# KiCad board raw.kicad_pcb
title: Toslink CNC To Planet CNC ECO Shield; date: 2016-10-21; rev: 1.0; company: Institute IRNAS Rače
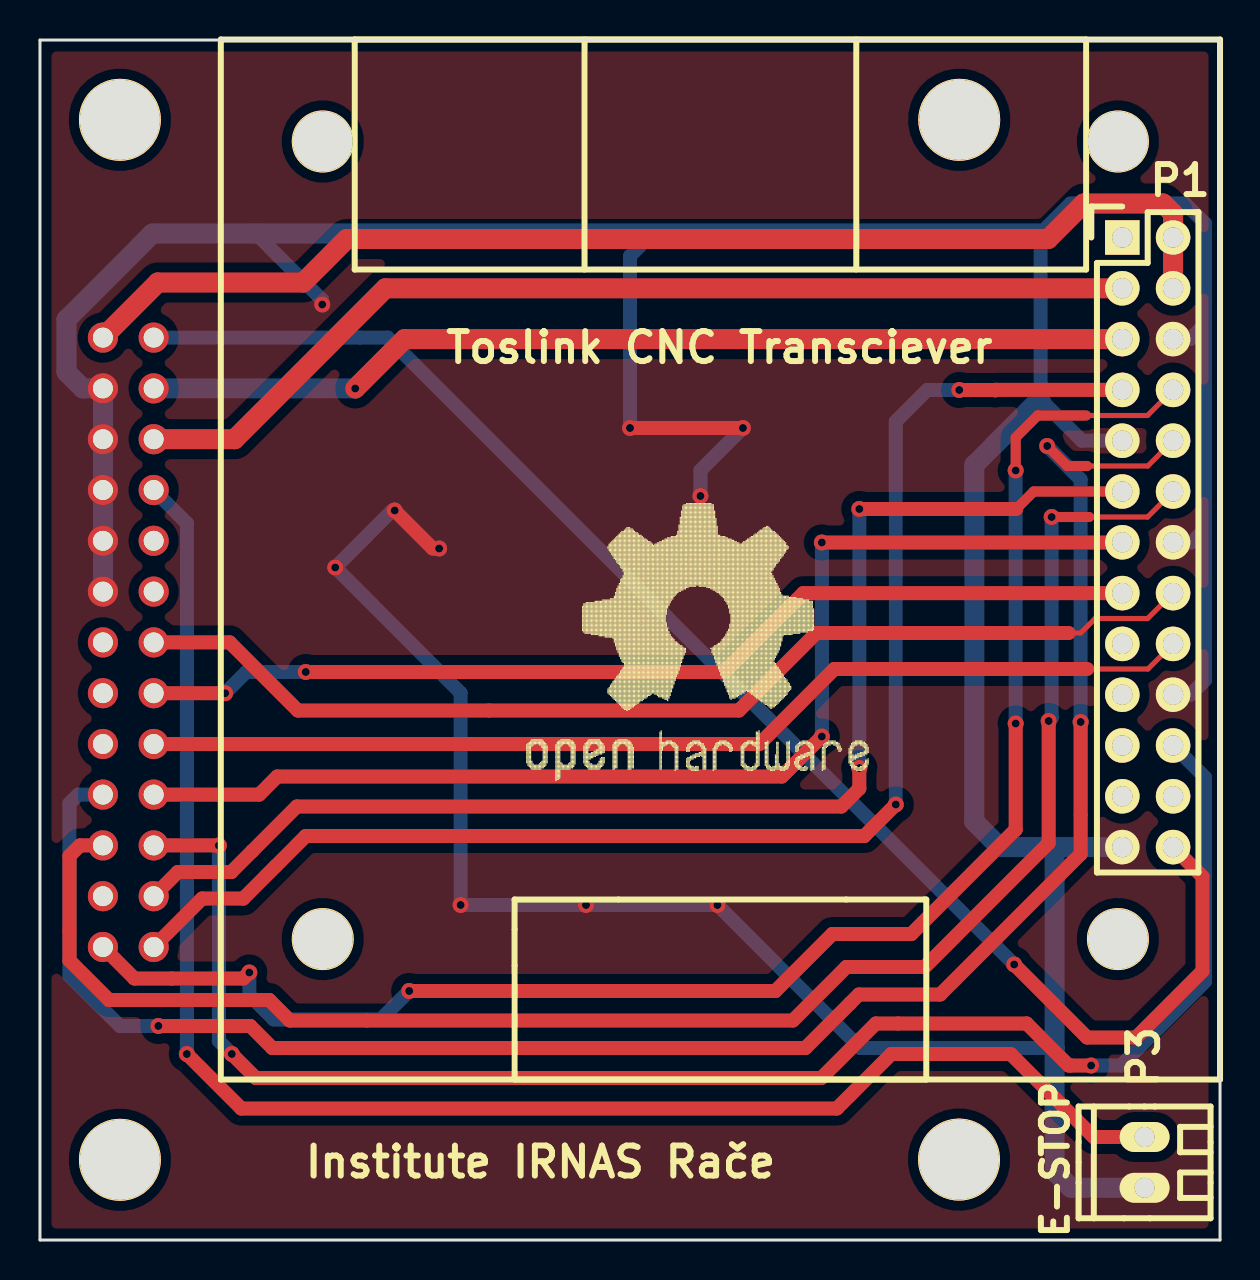
[diagram p0: board, top side]
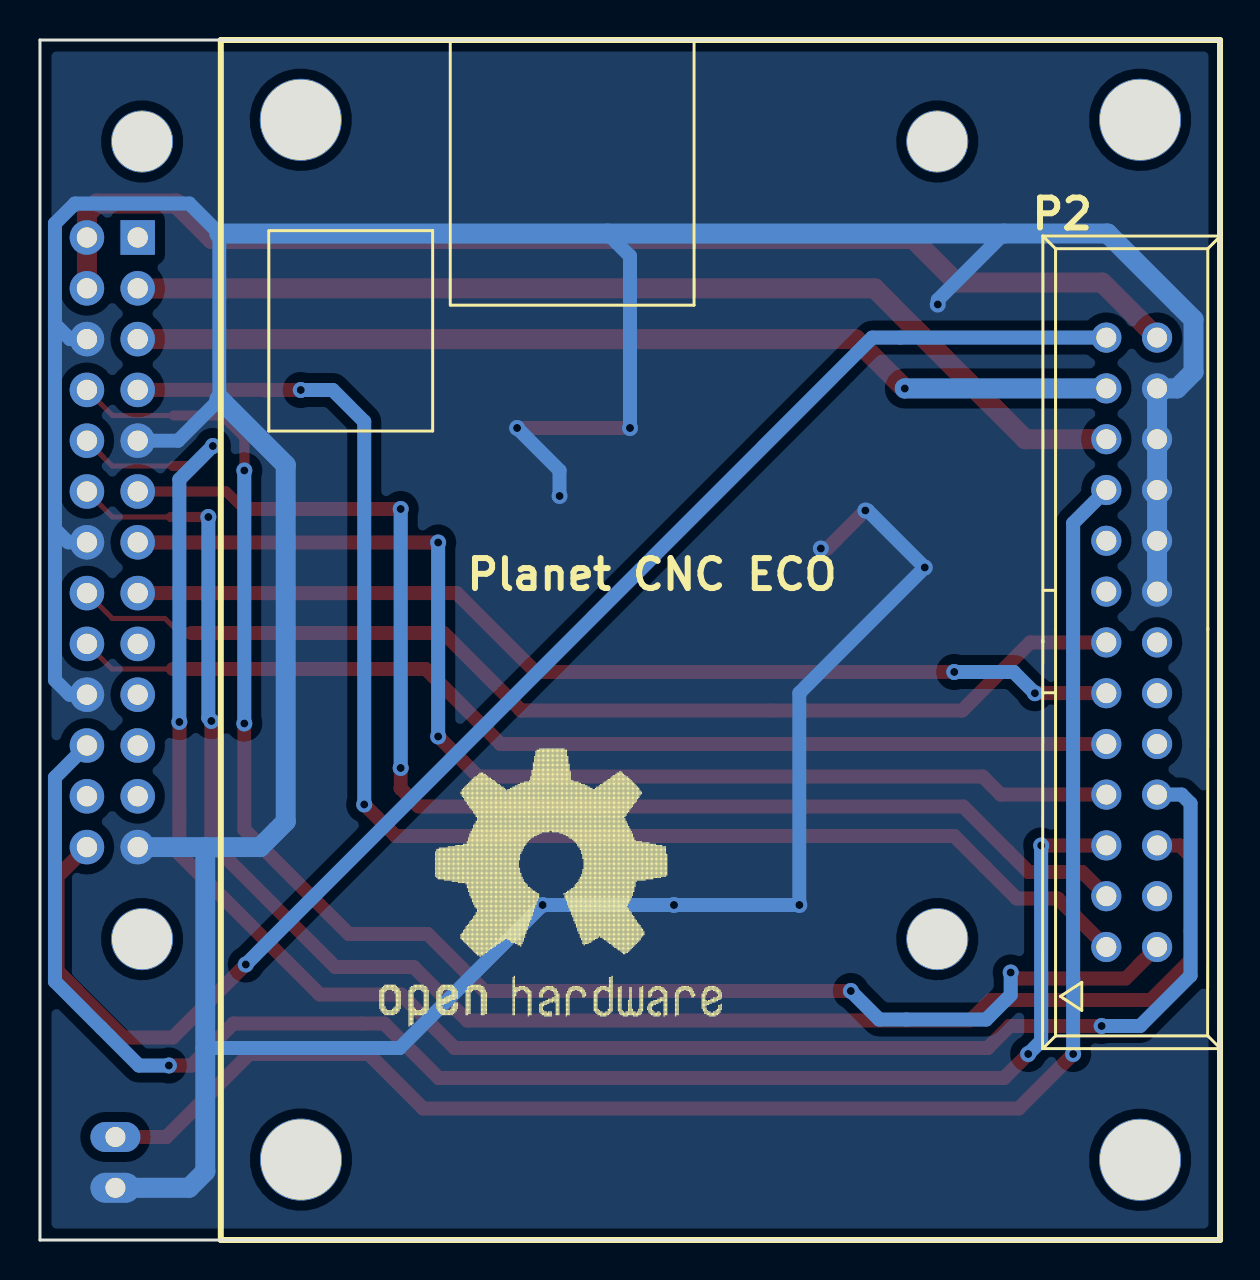
[diagram p1: board, bottom side, seen from below]

Outline 59.05 x 60 mm; copper layers: Top, Bottom. Coordinates in mm from the lower left corner of the outline.
Outline path: 0,60 59.05,60 59.05,0 0,0 0,60

## Placement (name value [footprint] x y rotation side)
G***  LOGO  [OSHWLOGO0.75IN]  23.38 39.2 0 top
G***#2  LOGO  [OSHWLOGO0.75IN]  43.03 26.93 180 bottom
P1  Toslink CNC Transciever  [toslink_pcb]  9.05 60.03 0 top
P2  Planet CNC ECO PCB  [PlanetCNC_ECO_PCB]  0 60 0 top
P3  term_block  [terminal_block_2_5mm]  55.28 5.15 90 top

## Footprints (pads in the part's own frame, mm; a bottom-side part is the same pattern mirrored in y, then rotated)
PlanetCNC_ECO_PCB
  round 4.1 hole 4: (4,-3.99) (4,-55.99) (45.99,-55.98) (46,-3.99)
  round 1.506 hole 0.998: 1(5.69,-45.35) 2(5.69,-42.81) 3(5.69,-40.27) 4(5.69,-37.73) 5(5.69,-35.2) 6(5.69,-32.66) 7(5.69,-30.12) 8(5.69,-27.58) 9(5.69,-25.04) 10(5.69,-22.5) 11(5.69,-19.96) 12(5.69,-17.42) 13(5.69,-14.88) 14(3.15,-45.35) 15(3.15,-42.81) 16(3.15,-40.27) 17(3.15,-37.73) 18(3.15,-35.2) 19(3.15,-32.66) 20(3.15,-30.12) 21(3.15,-27.58) 22(3.15,-25.04) 23(3.15,-22.5) 24(3.15,-19.96) 25(3.15,-17.42) 26(3.15,-14.88)
terminal_block_2_5mm
  oval 1.5x2.5 hole 1: 1(-2.54,0) 2(0,0)
toslink_pcb
  round 3.1 hole 3: (5.1,-5.1) (5.1,-44.98) (44.89,-5.1) (44.89,-44.98)
  rect 1.727x1.727 hole 1.016: 1(45.11,-9.9)
  oval 1.727x1.727 hole 1.016: 2(47.65,-9.9) 3(45.11,-12.44) 4(47.65,-12.44) 5(45.11,-14.98) 6(47.65,-14.98) 7(45.11,-17.52) 8(47.65,-17.52) 9(45.11,-20.06) 10(47.65,-20.06) 11(45.11,-22.6) 12(47.65,-22.6) 13(45.11,-25.14) 14(47.65,-25.14) 15(45.11,-27.68) 16(47.65,-27.68) 17(45.11,-30.22) 18(47.65,-30.22) 19(45.11,-32.76) 20(47.65,-32.76) 21(45.11,-35.3) 22(47.65,-35.3) 23(45.11,-37.84) 24(47.65,-37.84) 25(45.11,-40.38) 26(47.65,-40.38)

## Nets
+5V: P1.2 P1.4 P2.26
GND: P1.6 P1.9 P1.14 P1.20 P1.25 P2.21 P2.22 P2.23 P2.24 P2.25 P3.1
DIR_X: P1.22 P2.3
DIR_Y: P1.18 P2.5
DIR_Z: P1.16 P2.7
E-STOP: P2.10 P3.2
ENABLE: P1.7 P2.1
LIMIT_X: P1.3 P2.11
LIMIT_Y: P1.5 P2.12
LIMIT_Z: P1.26 P2.13
STEP_X: P1.11 P2.2
STEP_Y: P1.13 P2.4
STEP_Z: P1.15 P2.6
TRIGGER1: P1.12 P2.16
TRIGGER2: P1.10 P2.17
TRIGGER3: P1.8 P2.14

Pads without a net: P1 1 17 19 21 23 24; P2 8 9 15 18 19 20

## Via types
v1: diameter 0.8, hole 0.4, Top to Bottom, 33 vias

## Routing (per net, layer and track width the routed paths; a pad name or vN(x,y) marks a point on that pad's centre or on a via; arc(x,y) is an arc through that point)
+5V: length 60.3
  Top w1: P2.26 3.15,45.12 5.9,47.88 13.17,47.88 15.35,50.05 50.45,50.05 52.22,51.83 56.2,51.83 56.7,51.33 P1.2 56.7,47.58
GND: length 252.4
  Top w0.7: v1(19.97,34.57) 19.65,34.57 v1(17.75,36.47) ; v1(35.17,40.6) v1(29.52,40.6)
  Bottom w0.7: 58.3,45.8 57.54,45.05 P1.6 ; 58.3,45.8 58.3,50.83 57.3,51.83 51.57,51.83 50.07,50.33 50.07,42.03 52.13,39.97 P1.9 ; 58.3,45.8 58.3,35.55 ; 58.3,35.55 57.63,34.88 P1.14 ; 58.3,35.55 58.3,28 57.56,27.26 56.7,27.26 ; v1(17.75,36.47) 17.62,36.47 v1(14.77,33.62) 21.05,27.35 v1(21.05,16.75) v1(27.32,16.75) v1(33.9,16.75) 41.05,9.6 50.78,9.6 ; v1(29.52,40.6) 29.52,49.2 30.65,50.33 ; v1(33.05,37.2) 33.05,38.47 v1(35.17,40.6) ; v1(14.12,46.78) 14.12,47 10.8,50.33
  Bottom w1: 50.78,19.65 48.03,19.65 46.75,20.93 46.75,38.75 50.03,42.03 50.07,42.03 ; 50.78,19.65 P1.25 ; 50.78,19.65 50.78,3.43 51.59,2.61 P3.1 ; 50.07,50.33 5.62,50.33 1.32,46.03 1.32,43.4 2.14,42.58 P2.25 P2.24 P2.23 P2.22 P2.21
DIR_X: length 79.4
  Top w0.7: v1(9.6,9.3) 10.8,8.1 39.1,8.1 41.82,10.82 49.38,10.82 51.47,8.72 v1(52.6,8.72) ; P2.3 8.94,19.73 v1(8.95,19.72)
  Bottom w0.7: v1(52.6,8.72) 54.1,8.72 58.3,12.93 58.3,23.12 56.7,24.72 ; v1(8.95,19.72) 8.95,9.95 v1(9.6,9.3)
DIR_Y: length 53.1
  Top w0.254: 52.4,28.55 55.44,28.55 P1.18
  Top w0.7: 52.4,28.55 39.75,28.55 36,24.8 P2.5
DIR_Z: length 54.9
  Top w0.254: 51.47,30.35 52.07,30.35 52.8,31.07 55.43,31.07 P1.16
  Top w0.7: 51.47,30.35 38.85,30.35 34.97,26.47 12.9,26.47 9.49,29.88 P2.7
E-STOP: length 80.8
  Top w0.7: v1(7.35,9.3) 10.07,6.57 39.88,6.57 42.6,9.3 48.57,9.3 52.72,5.15 P3.2
  Bottom w0.7: v1(7.35,9.3) 7.35,35.84 P2.10
ENABLE: length 71.3
  Top w0.7: 47.83,42.5 47.8,42.47 ; 47.83,42.5 54.16,42.5 ; 47.83,42.5 47.81,42.5 47.8,42.5 v1(46,42.5) ; v1(42.82,21.78) 41.25,20.2 13.3,20.2 10.17,17.07 8.11,17.07 P2.1
  Bottom w0.7: v1(46,42.5) 44.4,42.5 42.82,40.92 v1(42.82,21.78)
LIMIT_X: length 51.6
  Top w1: P2.11 9.74,40.04 17.28,47.58 54.16,47.58
LIMIT_Y: length 49.5
  Top w1: v1(15.77,42.58) 18.24,45.05 P1.5
  Bottom w1: v1(15.77,42.58) 15.77,42.58 P2.12
LIMIT_Z: length 75.2
  Top w0.7: v1(48.75,13.78) 52.4,10.12 54.85,10.12 58.17,13.45 58.17,18.17 P1.26
  Bottom w0.7: v1(48.75,13.78) 17.41,45.12 P2.13
STEP_X: length 65.1
  Top w0.508: 48.85,36.55 49.72,37.43 P1.11
  Top w0.7: 10.61,19.44 9.57,18.4 6.9,18.4 P2.2 ; 10.61,19.44 10.62,19.45 ; 10.61,19.44 12.85,21.68 40.1,21.68 41,22.57 v1(41,23.6) ; v1(41,36.55) 48.85,36.55
  Bottom w0.7: v1(41,36.55) v1(41,23.6)
STEP_Y: length 59.4
  Top w0.7: v1(39.12,25.18) 37.12,23.18 11.88,23.18 10.97,22.27 P2.4 ; P1.13 54.15,34.88 v1(39.12,34.88)
  Bottom w0.7: v1(39.12,34.88) v1(39.12,25.18)
STEP_Z: length 50.6
  Top w0.7: P1.15 38.19,32.34 34.25,28.4 v1(13.3,28.4) ; P2.6 v1(9.27,27.34)
  Bottom w0.7: 9.27,27.35 v1(9.27,27.34) 10.32,28.4 v1(13.3,28.4)
TRIGGER1: length 84
  Top w0.254: 52.47,36.18 52.5,36.15 55.42,36.15 P1.12
  Top w0.508: 52.5,36.15 v1(50.62,36.15)
  Top w0.7: v1(50.47,25.95) 50.47,19.85 44.28,13.65 40.35,13.65 37.67,10.97 12.5,10.97 11.47,12 3.45,12 1.47,13.97 1.47,19.2 2,19.73 P2.16
  Bottom w0.7: v1(50.62,36.15) 50.62,26.1 v1(50.47,25.95)
TRIGGER2: length 94.9
  Top w0.254: 52.4,38.7 55.44,38.7 P1.10
  Top w0.508: v1(50.4,39.7) 51.4,38.7 52.4,38.7
  Top w0.7: v1(52.07,25.9) 52.07,19.3 45.05,12.28 40.97,12.28 38.3,9.6 11.62,9.6 10.52,10.7 v1(5.92,10.7)
  Bottom w0.7: v1(5.92,10.7) 4,10.7 1.47,13.22 1.47,21.82 1.92,22.27 P2.17 ; v1(50.4,39.7) 52.07,38.03 v1(52.07,25.9)
TRIGGER3: length 80.5
  Top w0.254: 52.35,41.22 55.42,41.22 56.7,42.5
  Top w0.508: 52.35,41.22 49.92,41.22 48.82,40.12 v1(48.82,38.47)
  Top w0.7: v1(10.47,13.38) 10.17,13.07 4.72,13.07 P2.14 ; v1(48.82,25.82) 48.82,20.53 43.6,15.3 39.65,15.3 36.8,12.45 v1(18.47,12.45)
  Bottom w0.7: v1(18.47,12.45) 17.05,11.03 11.7,11.03 10.47,12.25 v1(10.47,13.38) ; v1(48.82,38.47) v1(48.82,25.82)

## Copper pours and planes (outline as drawn; the poured copper is in the pictures)
GND on Top: 59.05,0 0,0 0,60 59.05,60
GND on Bottom: 59.05,0 0,0 0,60 59.05,60

## Text on the board
B.SilkS: Planet CNC ECO
F.SilkS: E-STOP | Institute IRNAS Rače | Toslink CNC Transciever
